# KiCad board VFDSAO.kicad_pcb (continued)
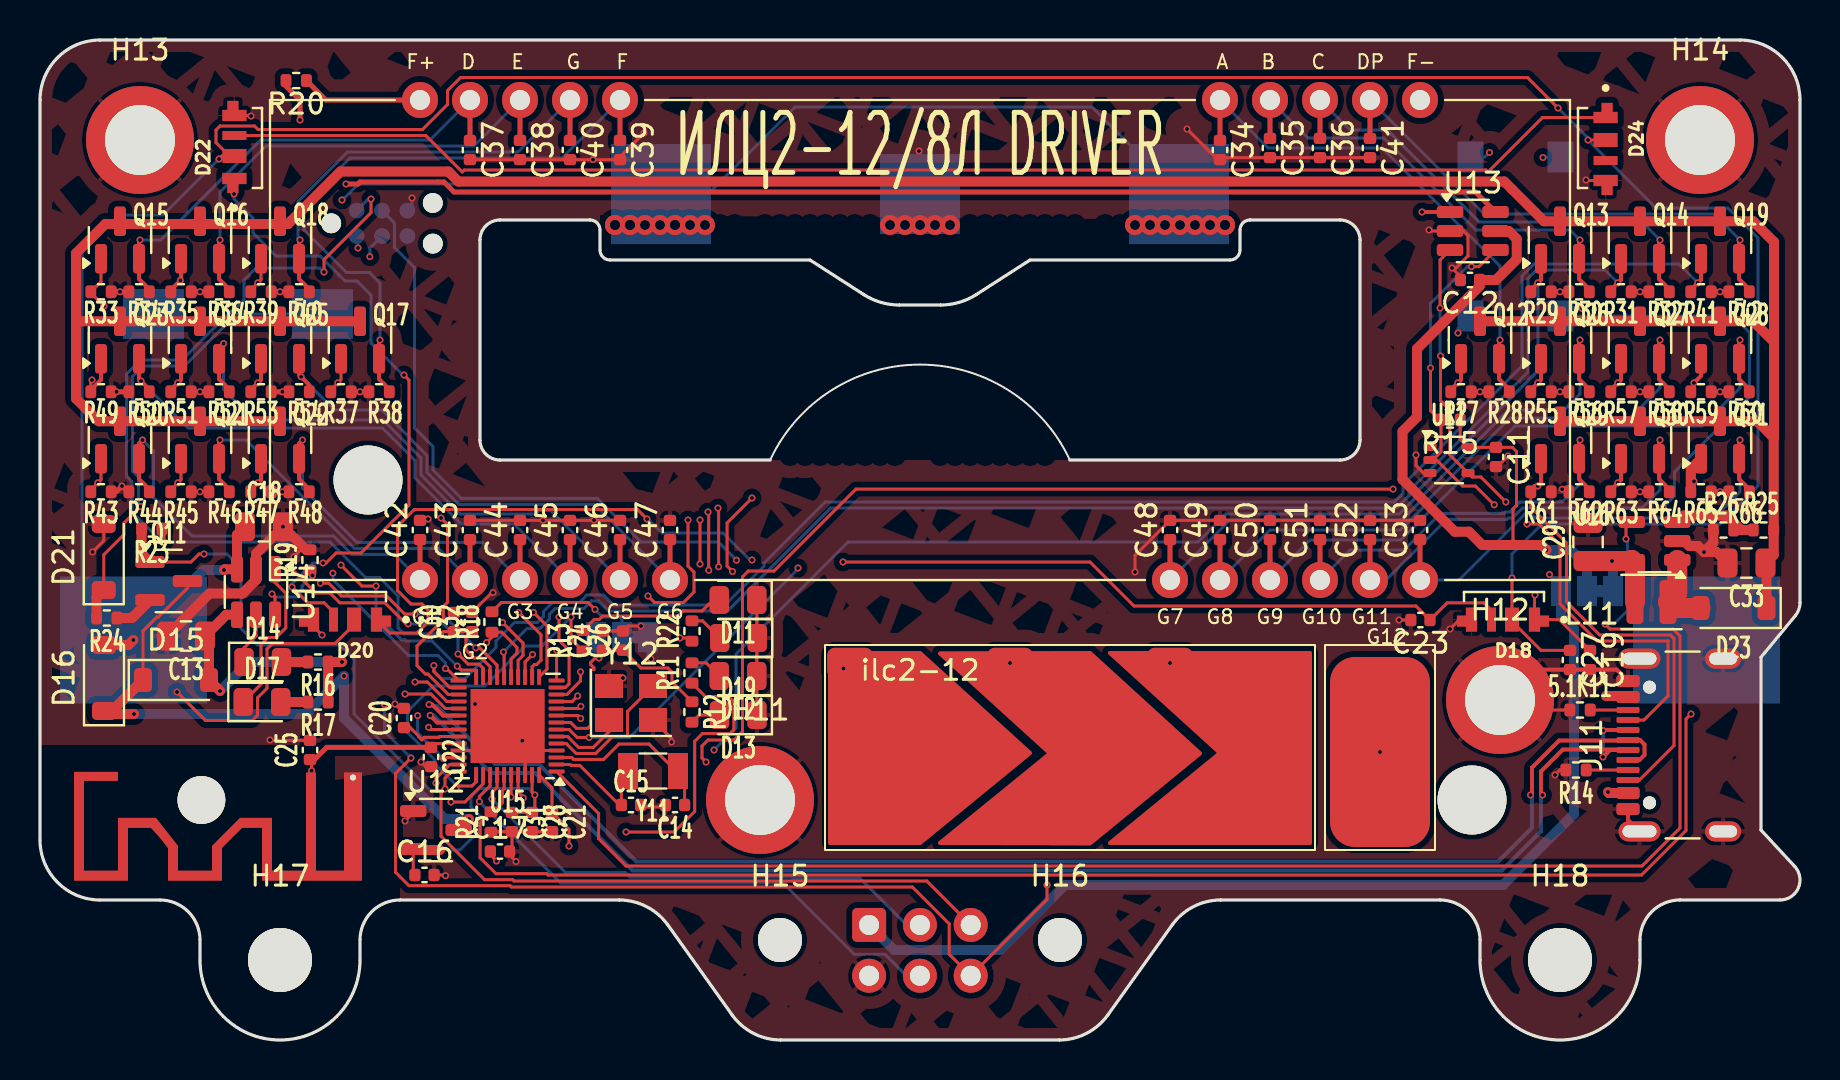
[diagram p0: board, top side]
## Nets (continued)
Net-(JP12-C): JP12.2 R18.2
Net-(Q11-S): Q11.2 R24.1
Net-(U13-OUT_A): R20.2 U13.6
Net-(U14-PROG): R19.1 U14.6
Net-(U15-OSC_IN): U15.5 Y12.3
Net-(U15-OSC_OUT): U15.6 Y12.1
Net-(U15-PC14/OSC32_IN): C15.1 U15.2 Y11.1
Net-(U15-PC15/OSC32_OUT): C14.1 U15.3 Y11.2
Net-(U15-VINTA): C20.1 U15.33
Net-(U16-FB): R25.2 R26.1 U16.3

Pads without a net: D24 3; J12 6; U11 1

## Via types
v1: diameter 0, hole 0.5, Top to Bottom, 40 vias
v2: diameter 0.35, hole 0.2, Top to Bottom, 227 vias
v3: diameter 1, hole 0.5, Top to Bottom, 23 vias

## Routing (per net, layer and track width the routed paths; a pad name or vN(x,y) marks a point on that pad's centre or on a via; arc(x,y) is an arc through that point)
+3V3: length 207.1
  Top w0.15: U15.47 24.61,12.39 v2(24.74,12.25) 24.74,11.52 C28.1 C31.1 ; v2(20.02,20.25) 20.18,20.42 C30.1 C32.1 21.29,20.11 21.29,19.51 21.7,19.1 22.07,19.1 22.5,18.66 U15.22 ; R12.1 31.6,17.91 31.6,18.4 31.4,18.6 30.04,18.6 C26.1 C24.1 27.53,18.86 27.53,18.78 27.69,18.61 27.69,18.53 27.53,18.53 27.53,15.72 27.38,15.58 26.83,15.58 26.53,15.88 U15.8 ; v2(14.2,38.4) 14.2,39.01 16.55,41.36 v2(16.55,42.05) ; U12.2 18.66,8.33 C16.1 ; v2(6.2,24.9) 6.2,25.45 R23.1
  Top w0.5: U12.2 18.71,9.5 v2(20,9.5)
  In1.Cu w0.15: v2(20.02,20.25) 20.13,20.37 26.68,20.37 v2(27.95,19.1) ; v2(75.47,23.28) 75.57,23.28 76.07,23.78 76.07,25.5 77.2,26.62 v2(81.15,26.62)
  In2.Cu w0.15: v2(77.1,36.58) 76.23,36.58 75.57,37.23 75.57,37.97 75.15,38.4 v2(75.15,44.12) ; v2(24.74,12.25) 24.74,16.74 26.3,18.3 26.38,18.3 26.53,18.44 26.53,18.61 26.82,18.91 26.99,18.91 27.03,18.94 27.03,19.03 27.2,19.2 27.85,19.2 v2(27.95,19.1)
  In2.Cu w0.5: v2(20,9.5) 21.6,7.9 39.31,7.9 J16.1
  Bottom w0.15: v2(81.15,26.62) 81.72,27.2 81.72,28.4 85.47,32.15 85.47,35.38 84.65,36.2 SW11.2 76.4,36.58 v2(77.1,36.58) ; v2(75.47,23.28) 76.05,22.7 JP11.3 ; v2(24.74,12.25) 24.42,12.58 21.97,12.58 21.54,12.14 21.54,11.66 22,11.2 22,10.5 21,9.5 v2(20,9.5) ; J12.1 16.41,42.05 v2(16.55,42.05) ; v2(75.15,44.12) 75.18,44.15 SW11.2 ; v2(14.2,38.4) 14,38.6 10.8,38.6 10.2,38 10.2,37 9.8,36.6 9.7,36.6 7.1,34 5.03,34 4.33,33.3 4.33,28.18 4.6,27.91 4.6,26.39 6.09,24.9 v2(6.2,24.9) 14.5,24.9 16.28,23.12 16.98,23.12 17.91,22.19 17.91,20.6 18.2,20.31 19.96,20.31 v2(20.02,20.25) ; JP12.3 27.8,19.25 v2(27.95,19.1)
  Bottom w0.5: JP11.3 76.05,21.19 76.7,20.54 76.7,11.3 73.15,7.75 51.25,7.75 48,4.5 42.7,4.5 J16.1
+5V: length 92.6
  Top w0.5: v2(78.3,17.2) 79.35,17.2 J11.A9 ; R17.1 R16.1 v2(15.1,18.9) ; v2(78.4,12.4) 78.45,12.35 J11.A4 ; U14.4 9.31,21.26 C13.1 8.45,20 D15.2 v2(9,17.45)
  In2.Cu w0.5: v2(15.1,18.9) 15.1,21.95 17.85,24.7 34.18,24.7 34.25,24.62 70.45,24.62 77.88,17.2 v2(78.3,17.2) 79.2,16.3 79.2,13.2 v2(78.4,12.4)
  Bottom w0.5: v2(15.1,18.9) 10.45,18.9 v2(9,17.45)
+24V: length 164.9
  Top w0.5: 86.7,34.9 86.7,30.13 86.69,30.11 ; 86.7,34.9 85.66,35.94 Q12.3 ; 86.7,34.9 86.7,39.9 85.66,40.94 Q13.3 75.2,40.94 73.21,42.92 20.92,42.92 20.42,43.42 15.03,43.42 12.4,40.8 3.27,40.8 1.8,39.33 1.8,35.9 ; 86.69,30.11 R25.1 86.69,24.26 86.28,23.85 86.32,23.8 86.32,21.6 ; 86.69,30.11 85.86,30.94 Q29.3 ; 1.8,35.9 1.84,35.94 Q17.3 ; 1.8,35.9 1.8,32.07 2.93,30.94 Q22.3
/3v3_AN_A: length 68
  Top w0.15: v2(67.65,27.55) 40.8,27.55 36.7,23.45 35.42,23.45 35.12,23.16 35.12,15.42 34.7,15 33.4,15 33.1,14.7 33.1,14.1 v2(33.3,13.9) ; v2(23.55,12.15) 23.56,12.16 23.56,13.25
  Top w0.2: Q12.1 71.05,33.02 v2(70.89,32.86) 70.44,32.41
  In2.Cu w0.15: v2(70.89,32.86) 70.89,28.29 70.1,27.5 67.7,27.5 v2(67.65,27.55) ; v2(23.55,12.15) 23.55,12 24.2,11.35 28.77,11.35 29.22,10.9 30.31,10.9 v2(33.3,13.9)
/3v3_AN_B: length 70.4
  Top w0.15: v2(24.16,12.1) 24.16,12.14 23.91,12.4 U15.45
  Top w0.2: Q13.1 75.05,38.02 v2(74.89,37.86) 74.44,37.41
  In2.Cu w0.15: v2(24.16,12.1) 24.16,12.04 24.55,11.65 28.9,11.65 29.35,11.2 29.9,11.2 33.3,14.6 33.7,14.6 v2(33.7,14.5)
  Bottom w0.15: v2(74.89,37.86) 74.89,33.46 68.75,27.32 68.75,27.09 67.96,26.3 59.3,26.3 57.9,24.9 40.4,24.9 34.8,19.3 34.8,15.6 v2(33.7,14.5)
/3v3_AN_C: length 70.5
  Top w0.15: v2(23.17,19.4) 23.2,19.37 U15.20
  Top w0.2: 78.44,37.41 v2(78.89,37.86) 79.05,38.02 Q14.1
  Bottom w0.15: v2(78.89,37.86) 78.25,38.5 74.82,38.5 74.4,38.08 74.4,33.4 68.45,27.45 68.45,27.22 67.84,26.6 39.53,26.6 34.38,21.45 28.43,21.45 27.93,21.95 27.57,21.95 27.2,21.58 25.76,21.58 25.47,21.29 25.47,21.05 25,20.58 24.36,20.58 v2(23.17,19.4)
/3v3_AN_D: length 35.9
  Top w0.15: Q15.1 3.05,37.92 R33.1 2.54,37.36 v2(3.2,36.7) ; 22.86,18.15 22.86,18.74 21.99,19.61 v2(21.79,19.61) ; v2(18.75,21.3) 18.23,21.3 17.33,22.2 15.07,22.2 14.44,22.84 v2(14.02,22.84)
  In2.Cu w0.15: v2(14.02,22.84) 13.91,22.72 13.42,22.72 13.04,23.09 12.34,23.09 11.32,24.11 11.32,33.16 11.08,33.4 6.5,33.4 v2(3.2,36.7)
  Bottom w0.15: v2(21.79,19.61) 20.1,21.3 v2(18.75,21.3)
/3v3_AN_DP: length 80.1
  Top w0.15: v2(19.69,18.73) 19.69,18.42 20.49,17.62 U15.26
  Top w0.2: Q19.1 83.05,38.02 v2(82.89,37.86) 82.44,37.41
  Bottom w0.15: v2(19.69,18.73) 19.69,18.45 20.07,18.07 21.25,18.07 22.8,19.63 22.8,19.94 23.74,20.88 24.88,20.88 25.17,21.17 25.17,21.42 25.63,21.88 26.97,21.88 27.34,22.25 28.16,22.25 28.66,21.75 34.26,21.75 36.2,23.69 36.2,23.84 39.26,26.9 67.71,26.9 68.15,27.34 68.15,27.75 74.1,33.7 74.1,38.2 74.7,38.8 81.95,38.8 v2(82.89,37.86)
/3v3_AN_E: length 33.1
  Top w0.15: v2(20.9,19.3) 21.41,18.8 21.93,18.8 21.95,18.78 21.97,18.78 22.16,18.59 U15.23 ; v2(12.56,23.58) 13.79,22.35 14.5,22.35 14.99,21.86 17.25,21.86 18.3,20.81 v2(18.41,20.81)
  Top w0.2: 6.45,37.41 v2(7.02,37.98) 7.05,38.02 Q16.1
  In2.Cu w0.15: v2(7.02,37.98) 6.89,37.86 6.89,34.81 8,33.7 11.2,33.7 11.62,33.28 11.62,24.61 12.56,23.66 v2(12.56,23.58)
  Bottom w0.15: v2(20.9,19.3) 20.9,20.08 20.17,20.81 v2(18.41,20.81)
/3v3_AN_F: length 22
  Top w0.15: Q17.1 15.05,33.02 v2(14.89,32.86) 14.44,32.41 ; v2(20.86,18.69) 21.06,18.5 21.81,18.5 U15.24 ; v2(16.8,22.7) 16.1,22.7 v2(15.05,23.75)
  In2.Cu w0.15: v2(15.05,23.75) 15.05,24.22 13.9,25.37 13.9,31.86 v2(14.89,32.86)
  Bottom w0.15: v2(20.86,18.69) 19.6,19.95 18.31,19.95 18.26,20.01 18.08,20.01 16.8,21.28 v2(16.8,22.7)
/3v3_AN_G: length 26.8
  Top w0.15: 10.44,37.41 v2(10.89,37.86) 11.05,38.02 Q18.1 ; v2(20.27,18.57) 20.33,18.57 U15.25
  In2.Cu w0.15: v2(10.89,37.86) 12.6,36.15 12.6,26.25 14.62,24.23 14.62,23.36 v2(14.64,23.34)
  Bottom w0.15: v2(14.64,23.34) 14.64,23.02 18.43,19.23 19.9,19.23 20.27,18.85 v2(20.27,18.57)
/3v3_G1: length 33.5
  Top w0.15: 2.45,27.41 v2(2.89,27.86) 3.05,28.02 Q20.1 ; U15.17 24.25,18.91 v2(24.62,19.28)
  In2.Cu w0.15: v2(24.62,19.28) 24.62,18.5 21.15,15.03 17.47,15.03 16.95,15.55 13.36,15.55 2.89,26.01 v2(2.89,27.86)
/3v3_G2: length 30.4
  Top w0.15: U15.18 23.91,18.98 24.15,19.22 24.15,19.85 v2(23.12,20.88) ; Q21.1 7.05,28.02 v2(6.89,27.86) 6.45,27.41
  In2.Cu w0.15: v2(23.12,20.88) 21.77,20.88 20.12,19.23 18.95,19.23 16.3,16.58 13.87,16.58 6.89,23.55 v2(6.89,27.86)
/3v3_G3: length 31.6
  Top w0.15: U15.13 26.27,17.62 26.45,17.81 26.45,19.48 25.95,19.98 v2(25.95,21.15)
  Top w0.2: 10.44,27.41 v2(10.89,27.86) 11.05,28.02 Q22.1
  In2.Cu w0.15: v2(25.95,21.15) 25.22,21.88 23.53,21.88 23.46,21.95 22.64,21.95 22.57,21.88 20.33,21.88 16.15,17.7 14.12,17.7 10.89,20.93 v2(10.89,27.86)
/3v3_G4: length 41.4
  Top w0.15: v2(25.84,19.48) 25.83,19.47 U15.14 ; v2(2.6,33) 2.54,32.94 R49.1
  Top w0.2: Q23.1 3.05,33.02 2.45,32.41
  In2.Cu w0.15: v2(25.84,19.48) 25.84,19.2 21.34,14.7 17.37,14.7 16.82,15.25 13.05,15.25 2.5,25.8 2.5,26.2 2.47,26.23 2.47,32.87 v2(2.6,33)
/3v3_G5: length 37.4
  Top w0.15: U15.15 25.35,18.55 25.35,20.7 v2(24.67,21.38)
  Top w0.2: 6.45,32.41 v2(6.89,32.86) 7.05,33.02 Q24.1
  In2.Cu w0.15: v2(6.89,32.86) 7.4,32.35 7.4,23.48 13.98,16.9 16.2,16.9 19.07,19.77 20.24,19.77 21.74,21.28 22.82,21.28 22.89,21.35 23.21,21.35 23.29,21.28 23.43,21.28 23.83,20.88 24.15,20.88 24.65,21.38 v2(24.67,21.38)
/3v3_G6: length 35
  Top w0.15: U15.16 24.61,18.65 24.73,18.78 24.83,18.78 25.05,18.99 25.05,20.26 v2(23.94,21.38)
  Top w0.2: 10.44,32.41 v2(10.89,32.86) 11.05,33.02 Q25.1
  In2.Cu w0.15: v2(10.89,32.86) 10.3,32.27 10.3,21.1 14.1,17.3 16.18,17.3 20.45,21.58 22.69,21.58 22.77,21.65 23.33,21.65 23.41,21.58 23.74,21.58 v2(23.94,21.38)
/3v3_G7: length 73.3
  Top w0.15: v2(20.05,26.1) 20.38,25.78 20.38,21.89 20.17,21.67 20.17,21.02 18.85,19.7 18.85,18.72 19.27,18.3 19.39,18.3 20.42,17.28 U15.27
  Top w0.2: 74.44,32.41 v2(74.89,32.86) 75.05,33.02 Q26.1
  In2.Cu w0.15: v2(74.89,32.86) 74.4,33.35 70.65,33.35 69.95,32.65 69.95,28.35 67.75,28.35 67.03,27.62 21.58,27.62 v2(20.05,26.1)
/3v3_G8: length 74.7
  Top w0.15: v2(35.6,27.1) 34.36,25.86 34.36,23.69 v2(34.63,23.42) ; U15.28 20.34,16.92 19.37,17.9 v2(18.75,17.9)
  Top w0.2: 78.44,32.41 v2(78.89,32.86) 79.05,33.02 Q27.1
  In2.Cu w0.15: v2(18.75,17.9) 18.93,17.72 22.5,17.72 23.6,18.83 23.6,19.91 23.79,20.1 ; v2(78.89,32.86) 77.7,31.67 74.69,31.67 70.13,27.1 v2(35.6,27.1) ; 23.8,20.1 24.4,20.7 27.15,20.7 27.25,20.8 28.39,20.8 30.3,22.71 30.3,23.7 30.83,24.22 33.97,24.22 34.63,23.57 v2(34.63,23.42)
/3v3_G9: length 80.2
  Top w0.15: U15.29 20.27,16.58 19.54,17.3 v2(18.25,17.3) ; v2(30.4,22.2) 30.72,21.88 32.17,21.88 32.7,22.4 32.7,23.39 32.4,23.69 v2(32.4,26)
  Top w0.2: Q28.1 83.05,33.21 v2(82.7,32.86) 82.7,32.67 82.44,32.41
  In2.Cu w0.15: v2(32.4,26) 32.4,26.31 33.11,27.02 34.2,27.02 34.45,26.78 35,26.78 35.12,26.65 70.1,26.65 72.2,28.75 73.66,28.75 73.71,28.8 79.5,28.8 80.43,29.72 80.43,30.58 v2(82.7,32.86) ; v2(30.4,22.2) 28.7,20.5 27.37,20.5 27.27,20.4 24.52,20.4 23.9,19.78 23.9,18.7 22.5,17.3 v2(18.25,17.3)
/3v3_G10: length 134.7
  Top w0.15: v2(19.43,15.64) 19.54,15.53 U15.32 ; v2(33,23.8) v2(33,26) ; R61.1 74.54,26.63 76.3,24.87 76.3,24.65 76.32,24.63 76.32,21.91 77.98,20.25 81.52,20.25 81.7,20.07 81.7,14.73 79.97,13 J11.B8
  Top w0.2: Q29.1 75.05,27.86 v2(74.89,27.7) 74.74,27.7 74.44,27.41
  In2.Cu w0.15: v2(15.9,39.6) 15.5,39.2 4.62,39.2 2.35,36.93 2.35,36.47 3.1,35.72 3.1,28.25 3.32,28.03 3.32,26.08 13.55,15.85 17.07,15.85 17.29,15.64 v2(19.43,15.64) 21.29,15.64 24.2,18.54 24.2,19.65 24.65,20.1 27.39,20.1 27.49,20.2 28.41,20.2 28.51,20.1 30.65,20.1 33,22.45 v2(33,23.8) ; v2(33,26) 33.15,25.85 34.65,25.85 34.75,25.75 70.53,25.75 72.48,27.7 v2(74.89,27.7)
  Bottom w0.15: J12.2 15.9,40.13 v2(15.9,39.6)
/3v3_G11: length 143.2
  Top w0.15: v2(20.17,14.07) 20.22,14.12 U15.36 ; v2(74.35,25.8) 74.95,25.8 76,24.75 76,21.81 77.86,19.95 81.4,19.95 81.4,17.2 80.2,16 J11.A8 ; v2(33.44,23.49) 33.44,26.36 v2(33.4,26.4)
  Top w0.2: Q30.1 79.05,28.02 v2(78.89,27.86) 78.44,27.41
  In2.Cu w0.15: v2(20.17,14.07) 21.13,14.07 26.86,19.8 27.52,19.8 27.62,19.9 28.28,19.9 28.38,19.8 30.77,19.8 33.44,22.46 v2(33.44,23.49) ; v2(74.35,25.8) 72.55,25.8 72.1,26.25 72.1,26.8 72.7,27.4 73.7,27.4 73.85,27.25 75.15,27.25 75.65,27.75 75.65,28.2 ; 75.65,28.2 78.55,28.2 v2(78.89,27.86) ; 75.65,28.2 75.6,28.15 72.5,28.15 70.4,26.05 34.88,26.05 34.78,26.15 33.65,26.15 v2(33.4,26.4) ; v2(16.49,39.17) 16.22,38.9 4.75,38.9 2.65,36.8 2.65,36.6 3.4,35.85 3.4,28.7 3.62,28.48 3.62,26.28 13.7,16.2 18.86,16.2 v2(18.88,16.22)
  Bottom w0.15: J12.4 16.49,39.59 v2(16.49,39.17) ; v2(18.88,16.22) 18.88,15.36 v2(20.17,14.07)
/3v3_G12: length 77
  Top w0.15: v2(32,20.1) 32.44,20.1 R22.1 ; v2(33.93,23.66) 33.93,26.57 v2(33.9,26.6) ; v2(19.8,12.85) 19.8,13.09 20.49,13.78 U15.37
  Top w0.5: Q31.1 82.54,28.55 R65.1
  In2.Cu w0.15: v2(19.8,12.85) 19.8,13 20.45,13.65 21.19,13.65 26.14,18.6 26.22,18.6 26.22,18.74 26.69,19.21 26.75,19.21 27.04,19.5 27.64,19.5 27.74,19.6 28.16,19.6 28.26,19.5 31.4,19.5 v2(32,20.1) 33.93,22.03 v2(33.93,23.66) ; v2(33.9,26.6) 34.02,26.47 34.88,26.47 35,26.35 70.28,26.35 72.38,28.45 73.92,28.45 73.97,28.5 82.13,28.5 v2(82.7,27.93)
GND: length 144.7
  Top w0.15: C41.2 59.1,44.12 C34.2 58.88,44.02 v2(57.35,45.55) ; C46.2 27.72,25.98 v2(27.7,26) 27.68,25.98 v2(25.15,25.98) C43.2 ; C42.2 19.33,25.98 v2(19.4,26.05) ; C22.2 19.28,13.67 v2(19.05,13.9) ; v2(2.62,24.4) 3.19,24.96 D21.2 ; v2(21.75,16.8) 22.28,16.8 v2(24.11,14.97) ; v2(24.11,14.97) U15.49 ; v2(24.11,14.97) 24.61,14.47 U15.4 ; U15.49 22.16,14.47 U15.35 ; U15.49 24.25,14.83 U15.46 ; v2(14.1,20.25) 13.67,20.67 D20.4 ; C37.2 C39.2 29,44.15 v2(30.2,45.35) ; U12.1 18.66,11.36 v2(18.25,10.95) ; v2(23.8,8.92) 23.6,9.12 C31.2 ; C24.2 C26.2 29.4,20.7 v2(30.05,20.7) ; C21.2 22.58,10.42 R21.1 ; C30.2 C32.2 22.59,22.38 v2(22.65,22.38) ; v2(70.5,20.55) 70.97,21.02 71.58,21.02 ; v2(73.4,29.2) 72.87,28.67 C11.2 ; D11.1 35.84,16.26 D13.1 ; v2(31.58,14.9) 31.58,15.08 Y12.2 ; D24.4 77.32,42.97 v2(77.3,43) ; v2(17.75,16.8) 17.97,16.58 C20.2 ; v2(54.75,23.4) 54.75,24.23 C48.2 C53.2 ; H12.1 73.5,16.5 5.1K11.1 ; R14.2 76,13.5 v2(75.75,13.25) ; C23.2 v2(67.95,21) ; C12.2 71.02,38.18 v2(70.6,38.6) 70.8,38.6 71.4,39.2 71.4,40.21 71.16,40.45 U13.2 69.5,40.45 v2(69.45,40.5) ; R45.2 v2(8,27.41) R46.2 ; D22.4 10.53,46.23 v2(10.55,46.2) ; R19.2 13.04,24.51 v2(12.7,24.16) ; v2(68.8,29.25) 68.8,28.73 69.18,28.35 U11.3 ; v2(11.5,15) 11.52,14.98 C25.2 ; v2(20.28,8.22) 20.24,8.25 C16.2 ; v2(29.15,18.1) 28.75,17.7 Y12.4 ; 31.27,11.65 30.03,11.65
  Top w0.2: H12.1 74.52,18.52 C19.2 78.83,18.52 J11.A12 ; J11.S1 79.4,11 J11.A1
  Top w0.25: 80.44,27.41 v2(80,27.41) 79.47,27.41 ; R36.2 v2(8,37.41) 7.47,37.41 ; 11.47,27.41 v2(12.12,27.41) R48.2 ; R52.2 v2(8,32.41) 7.47,32.41 ; 3.47,32.41 v2(3.83,32.41) R50.2 ; 75.47,32.41 v2(76,32.41) 76.44,32.41 ; 11.47,37.41 v2(12,37.41) R40.2 ; 84.44,27.41 v2(84,27.41) 83.47,27.41 ; R38.2 v2(16,32.41) 15.47,32.41 ; 71.47,32.41 v2(72,32.41) 72.44,32.41 ; 84.44,32.41 v2(84,32.41) 83.47,32.41 ; 80.44,32.41 v2(80,32.41) 79.47,32.41 ; 11.47,32.41 v2(12.12,32.41) R54.2 ; R44.2 4.39,27.41 v2(4.1,27.7) 3.81,27.41 3.47,27.41 ; 84.44,37.41 v2(84,37.41) 83.47,37.41 ; R34.2 v2(4,37.41) 3.47,37.41 ; 79.47,37.41 v2(80,37.41) 80.44,37.41 ; 76.44,37.41 v2(76,37.41) 75.47,37.41
  Top w0.5: v2(83.2,24.4) 82.9,24.7 82.46,24.7 82.21,24.95 U16.2 ; v2(83.2,24.4) 83.82,24.4 C33.2 ; v2(83.2,24.4) 83.66,24.86 83.66,25.5 ; R19.2 13.3,24.51 v2(12.15,25.66) 10.8,24.31 U14.2 10.8,23 10.12,22.33 8.47,22.33 C13.2
  Bottom w0.15: v2(18.6,42.1) 18.6,41.7 J12.5 ; v2(43.95,44.45) 44,44.4 BTe11.2 ; BZ11.2 4.56,37.41 v2(4,37.41) ; JP12.1 30.4,19.2 v2(30.55,19.05)
  vias: v2(27.65,44.02) v2(76.1,27.54) v3(42.5,40.75) v3(43.25,40.75) v3(44,40.75) v3(44.75,40.75) v3(45.5,40.75)
VCC: length 135.2
  Top w0.15: v2(29.3,10.4) 31.71,10.4 32.73,11.42 32.73,14.94 33.12,15.33 34.5,15.33 34.69,15.51 34.69,16.91 34.42,17.17 33.27,17.17 R11.1 ; C17.1 22.52,9.25 v2(22.83,8.95) ; D15.1 5.15,20.45 5.85,21.15 5.92,21.15 7.38,22.6 Q11.3
  Top w0.5: v2(4.7,16.3) 3.35,16.3 D16.1 3.6,16.45 D15.1 ; 20.9,10.5 v2(21.45,11.05)
  Top w1: C29.1 v2(78.6,23.95) 79.54,23.95 U16.5 79.75,23.84 L11.1
  In1.Cu w0.15: v2(21.45,11.05) 21.45,10.33 v2(22.83,8.95)
  In2.Cu w0.15: v2(21.45,11.05) 28.65,11.05 v2(29.3,10.4)
  In2.Cu w0.5: v2(78.6,23.95) 77.18,25.38 74.77,25.38 74.6,25.2 70.8,25.2 70.72,25.28 34.56,25.28 34.46,25.38 17.6,25.38 13.3,21.07 13.3,19.41 14.51,18.2 v2(15.2,18.2)
  Bottom w0.5: v2(21.45,11.05) 20.25,11.05 15.2,16.1 v2(15.2,18.2) 13.3,16.3 v2(4.7,16.3) ; v2(78.6,23.95) 78.65,23.9 JP11.1
(no net):
  vias: v1(34,40.75) v1(34.75,40.75) v1(36.25,40.75) v1(37,40.75) v1(37.5,29.25) v1(37.75,40.75) v1(38.25,29.25) v1(38.25,29.25) v1(38.5,40.75) v1(39,29.25) v1(39.25,40.75) v1(39.75,29.25) v1(40,40.75) v1(40.5,29.25) v1(40.75,40.75) v1(41.25,29.25) v1(41.5,40.75) v1(42,29.25) v1(42.75,29.25) v1(45,29.25) v1(45.75,29.25) v1(45.75,29.25) v1(46.5,40.75) v1(46.5,29.25) v1(47.25,40.75) v1(47.25,29.25) v1(48,40.75) v1(48,29.25) v1(48.75,40.75) v1(48.75,29.25) v1(49.5,40.75) v1(49.5,29.25) v1(50.25,40.75) v1(50.25,29.25) v1(50.25,29.25) v1(51,40.75) v1(51.75,40.75) v1(53.25,40.75) v1(53.25,40.75) v1(54,40.75)
+BATT: length 171.7
  Top w0.15: D24.2 v2(77.4,45) ; v2(75.9,46.6) 74.38,48.12 21.03,48.12 20.38,47.47 20.38,46.77 19.12,45.53 10.9,45.53 10.72,45.7 9,45.7 8.8,45.5 8.8,44.87 9.47,44.2 D22.2 9.1,44.2 v2(8.95,44.05) ; D20.2 15.7,20.77 14.75,19.83 11.62,19.83 11.35,19.55 11.35,17.58 10.88,17.11 10.88,16.24 10.61,15.97 8.28,15.97 v2(6.85,17.4) ; v2(73.6,23.1) D18.2 73.6,20.93 75.05,19.48 C27.1
  Top w0.5: v2(4.67,20) 4.42,19.75 D16.2 ; v2(9.2,23.5) 9.24,23.54 U14.3 9.85,25.26 C18.1
  Bottom w0.15: v2(8.95,44.05) 6.15,41.25 3.95,41.25 2.1,39.4 2.1,22.57 v2(4.67,20) ; v2(73.6,23.1) 73.6,24.3 75.1,25.8 84,25.8 85.9,27.7 85.9,40.1 84.4,41.6 80.8,41.6 v2(77.4,45) 77.4,45.1 v2(75.9,46.6)
  Bottom w0.5: v2(9.2,23.5) 8.17,23.5 v2(4.67,20)
/AnodeGateDrive1/OUT: length 23.1
  Top w0.2: v2(77,40) 76.95,39.95 Q13.2 76.95,38.05 77.47,37.53 R30.1
  Top w0.25: D25.7 C35.1
  Bottom w0.15: v2(77,40) 76.5,40.5 71.8,40.5 67.2,45.1 63.4,45.1 D25.7
/AnodeGateDrive2/OUT: length 24.6
  Top w0.2: v2(81,40) 80.95,39.95 Q14.2 80.95,38.05 81.47,37.53 R32.1
  Top w0.25: D25.8 C36.1
  Bottom w0.15: v2(81,40) 80.1,40.9 71.97,40.9 67.37,45.5 65.5,45.5 D25.8
/AnodeGateDrive3/OUT: length 24.2
  Top w0.2: R34.1 5.47,37.53 4.95,38.05 Q15.2 4.95,39.95 v2(5,40)
  Top w0.25: D25.2 C37.1
  Bottom w0.15: v2(5,40) 6.03,40 11.03,45 19.5,45 D25.2
/AnodeGateDrive4/OUT: length 24.1
  Top w0.2: R36.1 9.47,37.53 8.95,38.05 Q16.2 8.95,39.95 v2(9,40)
  Top w0.25: D25.3 C38.1
  Bottom w0.15: D25.3 21.7,44.7 11.3,44.7 9,42.4 v2(9,40)
/AnodeGateDrive5/OUT: length 31.8
  Top w0.2: R38.1 17.47,32.53 16.95,33.05 Q17.2 16.95,34.95 v2(17,35)
  Top w0.25: D25.5 C39.1
  Bottom w0.15: v2(17,35) 17,37.85 16.47,38.38 15.33,38.38 13.2,40.5 13.2,41.8 15.5,44.1 26.1,44.1 D25.5
/AnodeGateDrive6/OUT: length 22.5
  Top w0.2: R40.1 13.47,37.53 12.95,38.05 Q18.2 12.95,39.95 v2(13,40)
  Top w0.25: D25.4 C40.1
  Bottom w0.15: D25.4 23.9,44.4 15.38,44.4 12.9,41.92 12.9,40.1 v2(13,40)
/AnodeGateDrive7/OUT: length 26.1
  Top w0.2: R42.1 85.47,37.53 84.95,38.05 Q19.2 84.95,39.95 v2(85,40)
  Top w0.25: D25.9 C41.1
  Bottom w0.15: D25.9 72.2,41.3 83.7,41.3 v2(85,40)
/AnodeGateDrive8/OUT: length 23
  Top w0.2: v2(5.12,30) 4.95,29.83 Q20.2 4.95,28.05 5.47,27.53 R44.1
  Top w0.25: C42.1 D25.22
  Bottom w0.15: v2(5.12,30) 5.67,29.45 5.67,27.12 7.6,25.2 14.67,25.2 15.59,24.29 17.71,24.29 D25.22
/AnodeGateDrive9/OUT: length 20.2
  Top w0.2: R46.1 9.47,27.53 8.95,28.05 Q21.2 8.95,29.95 v2(9,30)
  Top w0.25: C43.1 D25.21
  Bottom w0.15: v2(9,30) 10.3,30 15.71,24.59 19.91,24.59 D25.21
/AnodeGateDrive10/OUT: length 20.1
  Top w0.2: R48.1 13.47,27.53 12.95,28.05 Q22.2 12.95,29.83 v2(13.12,30)
  Top w0.25: C44.1 D25.20
  Bottom w0.15: v2(13.12,30) 13.12,27.6 15.84,24.89 22.11,24.89 D25.20
/AnodeGateDrive11/OUT: length 30
  Top w0.2: Q23.2 4.95,33.05 v2(5.05,32.95) 5.47,32.53 R50.1
  Top w0.25: C45.1 D25.19
  Bottom w0.15: v2(5.05,32.95) 7.4,30.6 17.13,30.6 18.75,28.98 18.75,28.11 21.06,25.8 23.7,25.8 D25.19
/AnodeGateDrive12/OUT: length 31.5
  Top w0.2: R52.1 9.47,32.53 8.95,33.05 Q24.2 8.95,34.59 v2(9.18,34.82)
  Top w0.25: C46.1 D25.18
  Bottom w0.15: D25.18 25.52,26.48 24.94,26.48 24.76,26.3 21,26.3 19.05,28.25 19.05,29.1 17.15,31 10.7,31 9.18,32.52 v2(9.18,34.82)
/AnodeGateDrive13/OUT: length 27.1
  Top w0.2: R54.1 13.47,32.75 v2(13.06,33.16) 12.95,33.27 Q25.2
  Top w0.25: C47.1 D25.17
  Bottom w0.15: D25.17 27.72,26.78 20.95,26.78 19.35,28.38 19.35,29.23 18.55,30.03 18.55,30.05 17.1,31.5 14.72,31.5 v2(13.06,33.16)
/AnodeGateDrive14/OUT: length 32
  Top w0.2: R56.1 77.47,32.53 76.95,33.05 Q26.2 76.95,34.95 v2(77,35)
  Top w0.25: C48.1 D25.16
  Bottom w0.15: D25.16 59.5,26 68.09,26 69.05,26.97 69.05,27.13 73.42,31.5 76.2,31.5 77,32.3 v2(77,35)
/AnodeGateDrive15/OUT: length 33.3
  Top w0.2: v2(81,35) 80.95,34.95 Q27.2 80.95,33.05 81.47,32.53 R58.1
  Top w0.25: C49.1 D25.15
  Bottom w0.15: D25.15 61.5,25.5 68.01,25.5 69.35,26.84 69.35,26.95 73.5,31.1 79.5,31.1 81,32.6 v2(81,35)
/AnodeGateDrive16/OUT: length 34.7
  Top w0.2: R60.1 85.47,32.53 84.95,33.05 Q28.2 84.95,34.95 v2(85,35)
  Top w0.25: C50.1 D25.14
  Bottom w0.15: D25.14 63.5,25 68.05,25 73.75,30.7 83.1,30.7 85,32.6 v2(85,35)
/AnodeGateDrive17/OUT: length 22
  Top w0.2: v2(77,30) 76.95,29.95 Q29.2 76.95,28.05 77.47,27.53 R62.1
  Top w0.25: C51.1 D25.13
  Bottom w0.15: D25.13 65.5,24.5 68.2,24.5 70.03,26.33 73.21,26.33 73.28,26.4 73.5,26.4 74,26.9 76.1,26.9 77,27.8 v2(77,30)
/AnodeGateDrive18/OUT: length 23.7
  Top w0.2: R64.1 81.47,27.53 80.95,28.05 Q30.2 80.95,29.95 v2(81,30)
  Top w0.25: C52.1 D25.12
  Bottom w0.15: v2(81,30) 81,27.5 80.1,26.6 74.12,26.6 73.62,26.1 73.4,26.1 73.34,26.03 70.33,26.03 67.3,23 D25.12
/AnodeGateDrive19/OUT: length 25.4
  Top w0.2: v2(85,30) 84.95,29.95 Q31.2 84.95,28.05 85.47,27.53 R66.1
  Top w0.25: C53.1 D25.11
  Bottom w0.15: v2(85,30) 85,27.4 83.7,26.1 74.76,26.1 74.56,26.3 74.25,26.3 70.95,23 D25.11
/AnodeGateDrive/OUT: length 26
  Top w0.2: v2(73,35) 72.95,34.95 Q12.2 72.95,33.05 73.47,32.53 R28.1
  Top w0.25: D25.6 C34.1
  Bottom w0.15: v2(73,35) 73,38.7 67.1,44.6 61.4,44.6 D25.6
/BOOT0: length 114.8
  Top w0.15: v2(82.55,16.3) 82.3,16.05 82.3,10.47 80.07,8.25 25.4,8.25 25.33,8.31 22.8,8.31 22,9.11 22,10.86 R21.2 22.67,11.41 23.13,11.87 23.13,12.48 23.2,12.56 U15.43
  In2.Cu w0.15: v2(72.47,44.38) 72.47,38.97 70.9,37.39 v2(70.9,35.35) 70.97,35.42 81.38,35.42 82.18,34.62 82.28,34.62 83.2,33.7 83.2,26.72 82.55,26.08 v2(82.55,16.3)
  Bottom w0.15: SW11.1 70.9,35.58 v2(70.9,35.35) ; v2(72.47,44.38) 72.25,44.15 SW11.1
/BOOT1: length 106.2
  Top w0.15: v2(22.33,19.87) 22.6,20.14 R18.1 23.08,20.39 23.85,19.62 23.85,19.35 23.56,19.05 23.56,18.15 ; C19.1 75.96,21.02 D18.1 74.72,22.22 v2(74.75,22.25) ; v2(18.55,14.1) 17.78,13.33 17.78,8.39 18.45,7.72 23.51,7.72 23.58,7.65 43.62,7.65 45.46,5.81 45.46,4.29 J16.6 50.35,7.03 v2(50.35,7.75)
  In2.Cu w0.15: v2(22.33,19.87) 22.33,19.15 21.2,18.03 19.23,18.03 18.93,18.33 18.48,18.33 17.22,17.08 v2(17.22,16.78) ; v2(50.35,7.75) 51.33,8.72 76.12,8.72 79.9,12.5 79.9,17.1 v2(74.75,22.25)
  Bottom w0.15: v2(18.55,14.1) 17.22,15.42 v2(17.22,16.78)
/BZ_3v3: length 57.2
  Top w0.15: Q11.1 7.55,23.9 7.95,24.3 v2(8.2,24.3) ; J16.5 44.34,7.95 23.7,7.95 23.63,8.02 22.23,8.02 20.05,10.19 20.05,12.35 v2(20.25,12.55) 20.25,13.1 20.58,13.42 U15.38
  Top w0.5: R23.2 5.08,24.32 Q11.1
  Bottom w0.15: v2(20.25,12.55) 20.12,12.42 19.58,12.42 15.7,16.3 15.7,19.05 15,19.75 10.88,19.75 10.05,20.58 10.05,23.6 9.35,24.3 v2(8.2,24.3)
/F+: length 6.1
  Top w0.25: R20.1 14.29,47 D25.1
/F-: length 7
  Top w0.2: U13.1 v2(69.1,41.4)
  In2.Cu w0.2: v2(69.1,41.4) 69,41.5 D25.10
/FIL_DRIVE_A: length 124.5
  Top w0.15: v2(26.55,21.15) 26.55,20.05 R13.1 ; v2(20.8,12.55) 20.95,12.7 21.6,12.7 21.81,12.91 U15.39 ; U13.4 71.94,38.67 v2(71.57,38.67) ; v2(72.71,26.76) 71.77,27.7 71.12,27.7 69.82,29 U11.2 69.64,29 70.05,29.41 70.05,30.94 R15.2 69.53,31.47 v2(69.53,33.6)
  In2.Cu w0.15: v2(20.8,12.55) 21,12.35 21,10.6 21.05,10.55 27.02,10.55 28.9,8.67 48.72,8.67 50.14,7.25 50.56,7.25 51.73,8.42 80.28,8.42 81.55,9.7 81.55,23.9 79.15,26.3 73.17,26.3 v2(72.71,26.76)
  Bottom w0.15: v2(26.55,21.15) 26.55,21.15 25.1,19.7 24.24,19.7 22.24,17.7 19.66,17.7 18.38,16.43 18.38,15.37 19.75,14 19.75,13.8 20.8,12.75 v2(20.8,12.55) ; v2(71.57,38.67) 71.37,38.67 69.53,36.83 v2(69.53,33.6)
/FIL_DRIVE_B: length 106.3
  Top w0.15: U15.40 22.16,12.81 21.25,11.9 v2(20.55,11.9) ; v2(70.03,34.2) 70.03,31.97 70.48,31.52 70.48,29.27 U11.4 71.6,28.15 72.04,28.15 v2(73.29,26.9) ; v2(70,36.6) 70,39 U13.3
  In2.Cu w0.15: v2(20.55,11.9) 20.55,10.63 20.93,10.25 26.9,10.25 28.78,8.38 48.05,8.38 49.48,6.95 50.68,6.95 51.86,8.12 80.43,8.12 81.9,9.6 81.9,23.97 78.97,26.9 v2(73.29,26.9)
  Bottom w0.15: v2(70,36.6) 70,34.22 v2(70.03,34.2)
/FIL_SUP: length 37.2
  Top w0.15: R15.1 71.01,30.04 U11.5 71.42,29.63 C11.1 73.62,29.63 73.82,29.42 73.82,26.73 73.65,26.55 73.65,25 73.9,24.75
  Top w0.5: U13.5 73.44,40.45 73.84,40.05 73.84,39.04 72.8,38 C12.1 71.98,37.69 68.85,34.56 68.85,31.15 68.12,30.42 68.12,28.03 70.74,25.41 71.45,25.41 72.11,24.75 75.07,24.75 v2(75.32,24.5)
  Bottom w0.5: v2(75.32,24.5) 76.54,24.5 77.35,23.69 JP11.2
/I2C_SCL: length 27.2
  Top w0.15: U15.41 22.5,12.71 21.97,12.17 v2(21.97,11.92)
  Bottom w0.15: J16.4 43.32,3.21 42.25,4.29 40.71,4.29 37.15,7.85 26.04,7.85 v2(21.97,11.92)
/I2C_SDA: length 25.3
  Top w0.15: 22.86,13.25 22.86,12.64 22.6,12.38 v2(22.6,12.05)
  Bottom w0.15: v2(22.6,12.05) 26.28,8.38 29.27,8.38 29.5,8.15 37.6,8.15 37.65,8.1 40.99,8.1 43.33,5.75 J16.3
/RST: length 50.1
  Top w0.15: v2(27.46,15.13) 26.85,15.13 26.46,15.53 U15.7
  In2.Cu w0.15: v2(34.83,23.99) 35.27,23.55 37.85,23.55 v2(37.9,23.6)
  Bottom w0.15: J12.3 17.72,40.85 17.72,39.63 18.72,38.62 18.72,30.6 19.65,29.67 19.65,28.5 21.07,27.08 27.87,27.08 30.05,24.9 33.92,24.9 v2(34.83,23.99) ; v2(37.9,23.6) 37.9,23.55 29.48,15.13 v2(27.46,15.13)
/TOUCH1: length 15.6
  Top w0.15: 25.83,16.22 26.89,16.22 v2(27.03,16.08)
  In2.Cu w0.15: v2(27.03,16.08) 27.26,15.85 37,15.85 39.72,18.58 v2(40.17,18.58)
/TOUCH2: length 24.3
  Top w0.15: U15.10 26.94,16.58 v2(27.04,16.68)
  In2.Cu w0.15: v2(48.5,18.85) 48,18.85 47.2,19.65 39.1,19.65 36.13,16.68 v2(27.04,16.68)
/TOUCH3: length 33.1
  Top w0.15: v2(26.88,17.2) 26.61,16.92 U15.11
  In2.Cu w0.15: v2(26.88,17.2) 27.28,17.6 34.55,17.6 37.75,20.8 49.1,20.8 51.05,18.85 v2(56.5,18.85)
/TOUCH4: length 46.5
  Top w0.15: U15.12 26.34,17.28 27.03,17.96 v2(27.03,18.41)
  In2.Cu w0.15: v2(67,14.4) 61.15,20.25 51.55,20.25 49.9,21.9 36.85,21.9 33.55,18.6 27.22,18.6 v2(27.03,18.41)
/USB+: length 73.1
  Top w0.2: v2(19.51,16.23) 19.86,15.88 U15.31 ; v2(75.12,12.25) 75.05,12.32 75.05,13.43 76.14,14.52 79.47,14.52 ; J11.A6 78.5,14.5 v2(78.15,14.15) ; v2(78.15,15.47) 78.18,15.5 J11.B6
  Bottom w0.2: v2(19.51,16.23) 19.53,16.25 19.66,16.25 22.56,13.35 24.76,13.35 29.63,8.47 73.09,8.47 75.05,10.43 75.05,12.18 v2(75.12,12.25) ; v2(78.15,15.47) v2(78.15,14.15)
/USB-: length 71.7
  Top w0.2: J11.A7 80,15 80.22,14.78 80.22,14.25 79.97,14 J11.B7 ; 79.47,14.97 75.95,14.97 74.6,13.62 74.6,12.32 v2(74.53,12.25) ; v2(19.45,16.78) 19.61,16.78 20.16,16.22 20.93,16.22
  Bottom w0.2: v2(19.45,16.78) 19.53,16.7 19.84,16.7 22.74,13.8 24.94,13.8 29.82,8.92 72.91,8.92 74.6,10.62 74.6,12.18 v2(74.53,12.25)
/V_HI_EN: length 79.2
  Top w0.15: U16.4 79.3,25.61 v2(79.3,25.05) ; v2(78.25,20.8) 78.5,20.55 81.65,20.55 82,20.2 82,10.6 80.1,8.7 29.3,8.7 27.93,10.07 27.93,11.33 U15.1
  Bottom w0.15: v2(79.3,25.05) 79.38,24.97 79.38,21.47 78.71,20.8 v2(78.25,20.8)
Net-(AE11-A): length 8.7
  Top w0.15: C25.1 13.58,13.94 v2(13.58,13.47) ; U15.34 19.75,14.83 C22.1
  Top w0.25: C25.1 13.72,14.02 14.33,14.63 C22.1
  Bottom w0.15: AE11.1 13.55,13.44 v2(13.58,13.47)
Net-(BTe11-+): length 109.4
  Top w0.15: v2(26.45,9.7) 26.45,10.53 C21.1 25.6,12.61 U15.48
  In2.Cu w0.15: v2(15.1,42) 15.5,41.6 15.5,40 15,39.5 4.5,39.5 2.05,37.05 2.05,25.7 12.8,14.95 15.75,14.95 20.77,9.93 26.22,9.93 v2(26.45,9.7)
  Bottom w0.15: v2(15.1,42) 15.12,42 15.92,42.8 30.54,42.8 BTe11.1 33.39,42.29 37.75,46.65 52.59,46.65 BTe11.1
  vias: v3(28.75,40.75) v3(28.75,40.75) v3(29.5,40.75) v3(29.5,40.75) v3(30.25,40.75) v3(31,40.75) v3(31.75,40.75) v3(31.75,40.75) v3(32.5,40.75) v3(33.25,40.75) v3(54.75,40.75) v3(55.5,40.75) v3(56.25,40.75) v3(57,40.75) v3(57.75,40.75) v3(58.5,40.75) v3(59.25,40.75) v3(59.25,40.75)
Net-(BZ11-+): length 23.9
  Top w0.15: D21.1 3.19,24.26 4.2,25.28 4.2,25.85 v2(5.02,26.67)
  Top w0.5: R24.2 2.83,22.14 D21.1
  Bottom w0.15: v2(5.02,26.67) 4.92,26.78 4.92,28.15 4.62,28.45 4.62,33.17 5.15,33.7 7.23,33.7 9.83,36.3 BZ11.1
Net-(D11-A): length 7.5
  Top w0.15: D11.2 33.76,21.8 33.45,21.8 33.1,21.45 33.09,21.45 32.16,21.45 31.9,21.2 28.13,21.2 27.96,21.03 27.71,21.03 R13.2
Net-(D12-A): length 1.6
  Top w0.15: D12.2 33.3,18.86 R11.2
Net-(D13-A): length 1.5
  Top w0.15: D13.2 32.96,16.25 R12.2
Net-(D14-A): length 1.3
  Top w0.5: R16.2 D14.2
Net-(D14-K): length 2.6
  Top w0.15: D14.1 10.2,19.6 10.8,20.2 U14.5
Net-(D17-A): length 1.4
  Top w0.5: R17.2 D17.2
Net-(D17-K): length 8
  Top w0.15: U14.1 11.75,22.88 12.29,22.34 12.29,20.61 11.81,20.12 11.4,20.12 11.05,19.77 11.05,17.79 D17.1
Net-(D18-DOUT): length 67.1
  Top w0.15: v2(30.35,26.05) 29.88,26.53 18.71,26.53 17.88,25.69 17.88,22.47 18.55,21.8 19.1,21.8 19.4,21.5 19.4,20.9 18.85,20.35 17.5,20.35 D20.1 ; v2(40.15,23.9) 52.5,23.9 54.7,21.7 68.8,21.7 C23.1 70.36,21.86 72.19,21.86 72.57,21.47 D18.3
  In2.Cu w0.15: v2(35.6,24) 35.62,24.03 40.03,24.03 v2(40.15,23.9)
  Bottom w0.15: v2(35.6,24) 35.5,24 34.15,25.35 31.1,25.35 30.4,26.05 v2(30.35,26.05)
Net-(D19-A): length 1.7
  Top w0.15: R22.2 33.13,20.96 D19.2
Net-(D20-DOUT): length 32.2
  Top w0.15: v2(9.7,42.3) 9.72,42.32 9.72,43.08 ; v2(18.2,33.25) 18.45,33 18.45,26.75 16.05,24.35 14.8,24.35 14.3,23.85 v2(14.15,23.85) ; v2(12.6,22.65) 13.39,21.86 14.21,21.86 14.67,21.39 D20.3
  Bottom w0.15: v2(14.15,23.85) 13.65,23.85 12.6,22.8 v2(12.6,22.65) ; v2(9.7,42.3) 9.7,42.05 10.65,41.1 10.65,40.35 11.8,39.2 14,39.2 14.95,38.25 14.95,38.25 15.25,37.95 15.85,37.95 16.55,37.25 16.55,34.85 18.15,33.25 v2(18.2,33.25)
